# Altium PCB Einsy_Rambo.PcbDoc (part 2 of 5) (continued)
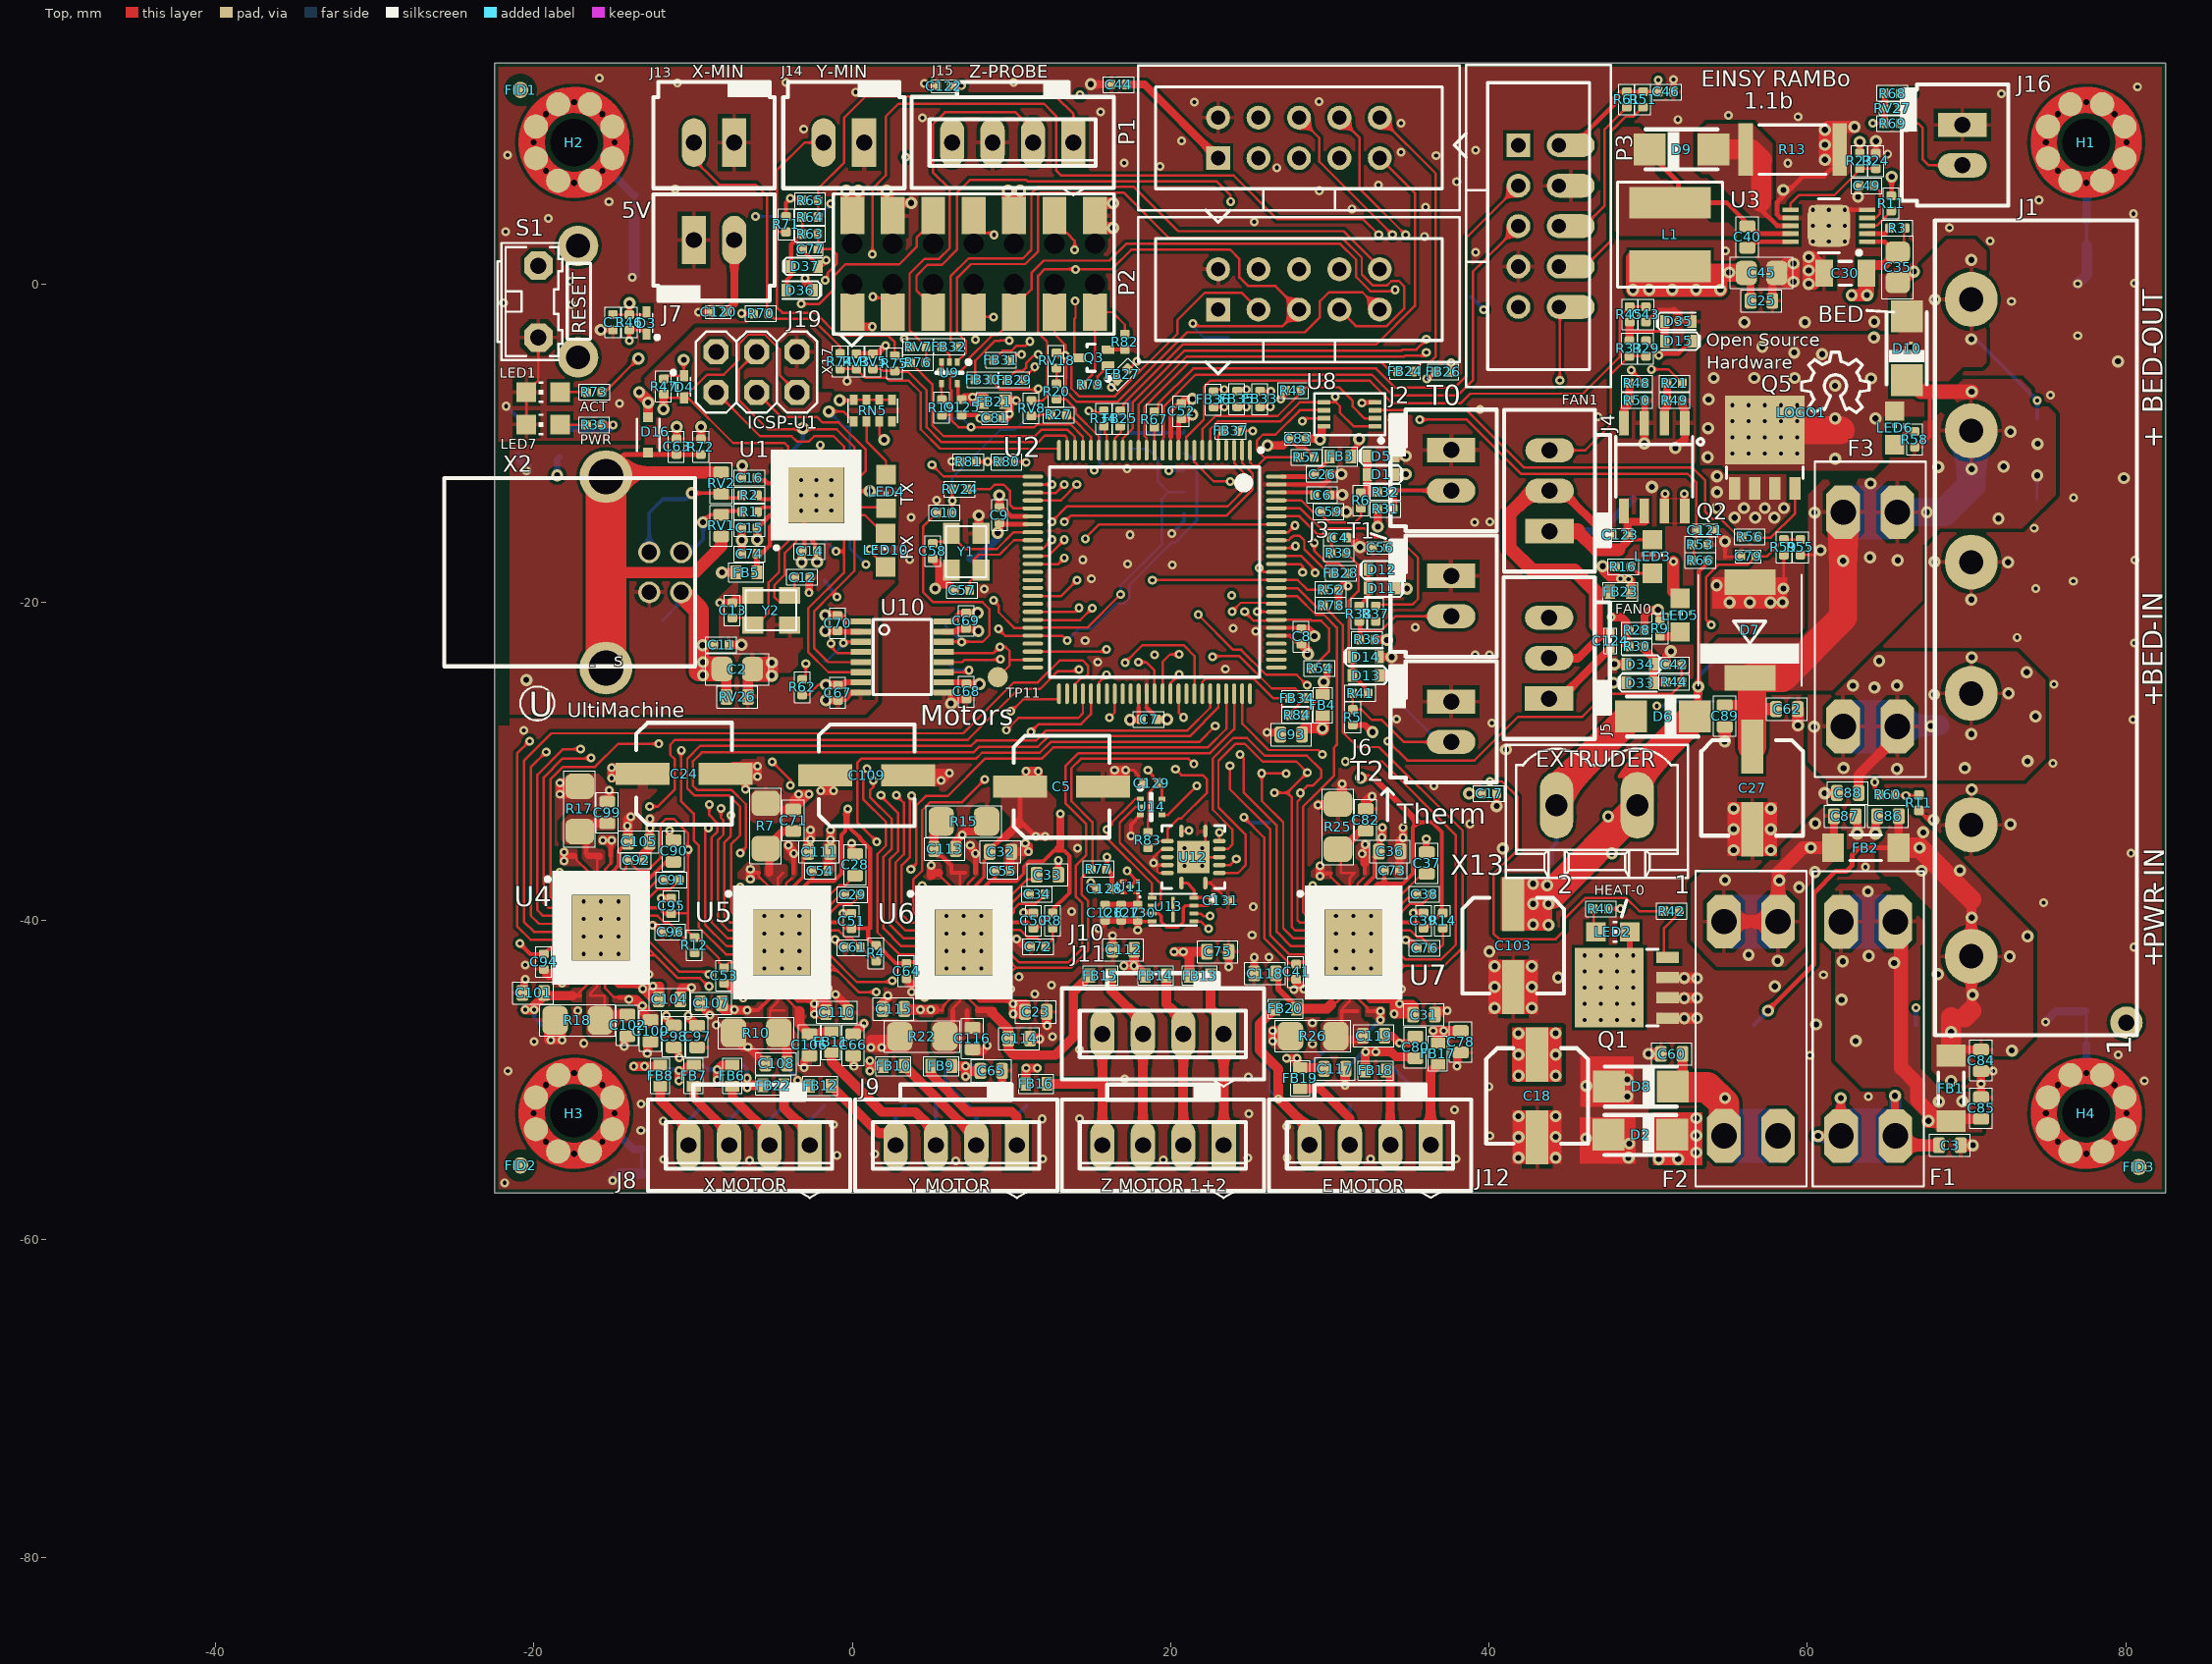
[diagram p0: Top view]
## Nets (pads, with @x,y where several pads share a name; then routed paths per layer and width w, separated by ;. In a path a pad name is that pad's centre, name@x,y a point inside that pad or via, vN(x,y) a via of type N, cw(c..) or ccw(c..) an arc to the next point about the centre after c; other vN are vias at no path point) (continued)
  other v3: 61.741,-10.979 61.741,-8.439 64.281,-8.439 61.741,-6.382 64.002,-5.925 54.121,-5.899 56.661,-5.899 59.201,-5.899 60.928,-4.401 59.176,-4.299 66.497,-3.988 57.169,-3.943 70.301,-3.461 64.179,-3.359 68.015,-0.972 70.301,1.518
  other v4: 53.74,-10.878 53.765,-9.049 53.791,-7.245
BED_MON: C79.1 R55.1 R59.1 U2.88 | length 43.5
  Top w0.152: v2@25.571,-17.812 25.851,-18.091 U2.88@26.637,-18.091 U2.88@26.988,-18.091 ; v1(53.975,-21.412) 53.645,-21.082 53.645,-18.39 54.392,-17.642 56.239,-17.642 C79.1@56.78,-17.101 57.476,-17.101 R59.1@58.522,-16.055 R55.1@59.563,-16.055 R55.1@59.639,-16.055
  Signal Layer 2 w0.152: v2@25.571,-17.812 26.664,-17.812 28.086,-19.234 29.559,-19.234 31.217,-17.577 34.011,-17.577 34.671,-16.916 42.037,-16.916 44.653,-19.533 52.095,-19.533 v1(53.975,-21.412)
  other v2: 25.552,-17.831
D+: R2.1 RV2.2 TP35.TP X2.3 | length 9.3
  Top w0.229: v4(-10.09,-13.138) -8.281,-13.138 RV2.2@-8.236,-13.183 ; RV2.2@-8.585,-13.437 -7.109,-13.437 R2.1@-6.938,-13.265
  Bottom w0.229: X2.3@-12.761,-16.849 -12.761,-14.361 TP35.TP@-11.919,-13.519 -10.471,-13.519 v4(-10.09,-13.138)
D-: R1.1 RV1.2 TP28.TP X2.2 | length 5.8
  Top w0.229: v4(-9.379,-14.967) -8.902,-14.49 RV1.2@-8.236,-14.49 ; RV1.2@-8.611,-14.249 -6.995,-14.249 R1.1@-6.938,-14.307
  Bottom w0.229: X2.2@-10.755,-16.849 -10.169,-16.849 TP28.TP@-9.379,-16.059 v4(-9.379,-14.967)
DTR: JP1.1 JP1.2 RN5.5 TP24.TP U1.13 U10.3 | length 28
  Top w0.152: v3(-1.479,-7.999) -0.559,-7.999 RN5.5@0.077,-8.635 ; v1@-0.686,-22.606 -0.552,-22.472 U10.3@0.521,-22.472 ; U1.13@0.133,-13.011 1.084,-13.011 v3(1.096,-12.999)
  Signal Layer 2 w0.152: v3(-1.479,-7.999) 1.096,-10.574 v3(1.096,-12.999) ; v1(-0.559,-22.555) -0.686,-22.428 -0.686,-20.295 0.857,-18.752 v1(0.857,-17.609)
  Bottom w0.152: TP24.TP@-1.759,-23.679 -1.607,-23.679 v1@-0.686,-22.758 ; v3(-1.479,-7.999) -0.516,-8.962 JP1.1@-0.154,-8.962 JP1.2@-0.154,-10.486 -0.154,-16.597 v1(0.857,-17.609)
E0-DIR: U2.41 U7.7 | length 39.2
  Top w0.152: U2.41@10.987,-19.615 13.1,-19.615 14.112,-18.604 v1(14.112,-18.599) ; v1(23.725,-30.25) 23.725,-31.739 26.257,-34.271 26.257,-40.926 27.438,-42.106 U7.7@29.065,-42.106
  Signal Layer 2 w0.152: v1@14.112,-18.604 v1(14.112,-18.599) 12.885,-19.825 12.885,-24.21 14.7,-26.025 20.75,-26.025 21.55,-26.825 21.55,-28.776 23.024,-30.25 v1(23.725,-30.25)
E0-EN: U2.74 U7.22 | length 29.3
  Top w0.152: U2.74@24.499,-26.092 24.499,-27.624 26.15,-29.275 29.25,-29.275 v1(29.525,-29.55) ; v1(30.975,-30) 33.289,-30 37.925,-34.636 37.925,-41.5 37,-42.425 34.726,-42.425 34.443,-42.143 34.377,-42.143 34.34,-42.106 U7.22@33.915,-42.106
  Signal Layer 2 w0.152: v1(29.525,-29.55) 29.975,-30 v1(30.975,-30)
E0-STEP: U2.56 U7.6 | length 28.3
  Top w0.152: U2.56@15.487,-26.092 15.487,-25.026 v1(15.97,-24.543) ; v1(24.35,-29.55) 24.6,-29.8 24.6,-31.953 26.664,-34.017 26.664,-40.697 27.573,-41.606 U7.6@29.065,-41.606
  Signal Layer 2 w0.152: v1(15.97,-24.543) 17.037,-25.61 20.885,-25.61 21.88,-26.605 21.88,-28.64 22.791,-29.55 v1(24.35,-29.55)
E0_DIAG: R78.1 U2.86 U7.20 U7.21 | length 34.8
  Top w0.152: U2.86@26.988,-19.107 27.959,-19.107 29.254,-20.403 29.788,-20.403 30.821,-21.436 30.821,-28.167 31.744,-29.089 33.09,-29.089 38.35,-34.35 38.35,-41.675 37.2,-42.825 34.7,-42.825 34.419,-43.106 U7.20@33.915,-43.106 ; U7.21@33.915,-42.606 34.399,-42.606 34.649,-42.856
E0_nCS: U2.85 U7.2 | length 23.8
  Top w0.152: U2.85@26.988,-19.615 27.959,-19.615 29.121,-20.777 29.629,-20.777 30.44,-21.588 30.44,-28.945 30.25,-29.135 30.25,-30.9 29.013,-32.137 ; 29.012,-32.137 28.321,-32.829 28.321,-39.459 28.468,-39.606 U7.2@29.065,-39.606
E-REF-PWM: U2.40
FAN-0: R21.1 U2.17 | length 40.6
  Top w0.152: U2.17@16.987,-10.441 16.987,-9.705 17.632,-9.06 17.632,-7.417 20.877,-4.172 34.512,-4.172 34.569,-4.115 35.433,-4.115 v1@36.068,-3.48 ; v2(50.19,-5.359) 51.28,-5.359 R21.1@52.144,-6.223
  Signal Layer 2 w0.152: v1@36.068,-3.48 48.311,-3.48 v2(50.19,-5.359)
  other v1: 36.062,-3.461
FAN-1: R48.1 U2.15 | length 36.8
  Top w0.152: U2.15@17.987,-10.091 17.987,-7.564 20.999,-4.553 34.665,-4.553 34.722,-4.496 35.89,-4.496 v1@36.068,-4.318 ; v2(48.946,-5.41) 48.969,-5.41 R48.1@49.781,-6.223
  Signal Layer 2 w0.152: v1@36.068,-4.318 36.525,-3.861 47.396,-3.861 v2(48.946,-5.41)
  other v1: 36.062,-4.299
FGND: "Net Tie1.1" "Net Tie2.1" "Net Tie3.1" "Net Tie4.1" D16.C H1.1 H2.1 H3.1 H4.1 pad.0 S1.3 S1.4 | length 299.9
  Top w0.61: D16.C@-12.829,-8.374 v4(-12.829,-7.449) -12.829,-7.351 v4@-12.829,-7.349
  Top w0.762: v4(-13.392,-6.788) v4@-12.829,-7.351
  Supply w0.508: -21.622,-42.856 -21.85,-42.628 -21.85,-28.429 -21.622,-28.2
  Supply w1.016: -21.622,-42.856 -21.622,-47.956 -19.455,-50.124 H3.1@-19.257,-50.321 ; -21.622,-28.2 -21.622,-8.992 S1.4@-17.234,-4.604
  Supply w1.524: -19.455,-50.124 ccw(c-17.479,-52.099) -14.685,-52.099 ; -19.455,-50.124 cw(c-17.479,-52.099) -14.685,-52.099 ; -19.455,-50.124 cw(c-17.479,-52.099) -14.685,-52.099 ; -19.455,-50.124 cw(c-17.479,-52.099) -14.685,-52.099 ; -19.455,-50.124 cw(c-17.479,-52.099) -14.685,-52.099 ; -19.455,-50.124 cw(c-17.479,-52.099) -14.685,-52.099 ; -19.455,-50.124 cw(c-17.479,-52.099) -14.685,-52.099 ; -19.455,-50.124 cw(c-17.479,-52.099) -14.685,-52.099 ; -19.455,-50.124 cw(c-17.479,-52.099) -14.685,-52.099
  Signal Layer 2 w0.508: 81.587,-33.992 81.613,-33.966
  Signal Layer 2 w1.016: H2.1@-17.479,6.361 -17.579,6.261 -17.579,4.476 -17.234,4.131 S1.3@-17.234,2.406 -17.565,2.736 -20.452,2.736 -21.298,1.89 -21.298,0.433 -19.081,-1.785 -18.995,-1.785 -17.234,-3.546 S1.4@-17.234,-4.604 -15.574,-4.604 v4@-12.829,-7.349 ; H3.1@-15.701,-53.877 -13.165,-56.413 73.207,-56.413 H4.1@75.743,-53.877 ; H4.1@79.299,-50.321 81.613,-48.007 81.613,-46.599 ; 79.481,7.092 79.481,6.941 81.613,4.809 81.613,-33.966 81.613,-46.599 ; pad.0@80.046,-46.399 81.413,-46.399 81.613,-46.599
  Bottom w0.508: -15.385,7.249 -13.749,5.613 -13.691,5.613 ; -15.008,-53.102 -13.754,-54.356 -13.233,-54.356 ; H4.1@77.521,-49.559 77.521,-49.432 77.521,-47.777 ; 77.521,6.234 77.546,6.209 77.546,3.937
GND: "Net Tie1.2" "Net Tie2.2" "Net Tie3.2" "Net Tie4.2" C1.2 C3.2 C4.2 C5.2 C6.2 C7.2 C8.2 C9.2 C17.2 C18.2 C23.1 C24.2 C25.2 C26.2 C27.2 C30.2 C31.1 C32.1 C35.2 C36.1 C39.1 C41.1 C42.2 C43.2 C44.2 C45.2 C46.1 C49.2 C50.1 C51.1 C52.2 C53.1 C54.1 C55.1 C56.2 C57.2 C58.2 C59.2 C60.2 C61.2 C62.2 C64.1 C65.2 C66.2 C68.1 C69.2 C71.1 C72.2 C73.1 C75.2 C76.2 C77.2 C78.2 C79.2 C80.2 C81.2 C82.1 C83.2 C84.2 C85.2 C86.2 C87.2 C88.2 C89.2 C92.1 C93.1 C94.1 C95.1 C96.2 C97.2 C98.2 C99.1 C100.2 C101.2 C102.1 C103.2 C104.1 C105.1 C106.2 C107.2 C108.1 C109.2 C110.1 C111.1 C112.2 C113.1 C114.2 C115.2 C116.1 C117.2 C118.2 C119.1 C120.1 C121.2 C122.1 C125.1 C126.1 C127.1 C128.1 C129.1 C130.1 C131.2 D2.A D5.A D7.A D8.A D12.A D14.A D34.A D35.A D37.A J1.2 J1.4 J2.1 J3.1 J6.1 J7.1 J13.1 J14.1 J15.3 J16.1 J19.4 J19.14 JP4.2 LED1.C LED7.C P1.2 P2.2 P3.4 P3.7 P4.5 P4.8 P4.9 P4.10 Q1.1 Q1.2 Q1.3 Q2.1 Q2.3 Q3.2 Q5.1 Q5.2 Q5.3 R7.2 R10.2 R13.1 R15.2 R17.2 R18.2 R22.2 R24.1 R25.2 R26.2 R43.1 R49.2 R50.2 R53.2 R57.1 R59.2 R81.2 R82.2 R87.1 RT1.1 RV3.1 RV5.1 RV7.1 RV27.1 S1.2 TP67.TP TP69.TP U2.11 U2.32 U2.62 U2.81 U2.99 U3.5 U3.7 U3.11 U4.1 U4.11 U4.12 U4.18 U4.24 U4.35 U4.36 U4.37 U5.1 U5.11 U5.12 U5.18 U5.24 U5.35 U5.36 U5.37 U6.1 U6.11 U6.12 U6.18 U6.24 U6.35 U6.36 U6.37 U7.1 U7.11 U7.12 U7.18 U7.24 U7.35 U7.36 U7.37 U8.4 U9.3 U10.9 U10.15 U11.2 U11.T U12.1 U12.4 U12.7 U12.10 U12.12 U12.13 U12.15 U13.4 U14.3 Y1.2 Y1.4 | length 282.6
  Top w0.152: LED7.C@-20.479,-8.82 LED1.C@-20.479,-6.788 -19.724,-6.033 S1.2@-19.724,-3.36 ; v3(-15.805,-2.877) C1.2@-15.043,-2.877 ; v1@-12.042,-38.738 -11.995,-38.691 v1(-11.995,-38.589) ; v1@-2.102,-44.281 -2.089,-44.268 v1(-2.089,-44.253) ; Y1.4@6.22,-18.109 Y1.4@6.22,-17.759 ; C57.2@6.318,-19.129 C57.2@6.418,-19.229 ; Y1.2@8.085,-15.894 Y1.2@8.085,-15.653 ; v1@9.328,-44.281 v1(9.35,-44.304) ; C72.2@11.093,-41.408 11.144,-41.459 11.144,-41.612 C72.2@11.144,-41.815 ; v1(18.925,-36.375) 18.925,-36.025 19.115,-35.835 19.115,-35.826 19.441,-35.5 U12.10@19.794,-35.5 ; v1@19.05,-36.5 19.15,-36.6 19.15,-36.9 19.25,-37 U12.13@19.794,-37 ; U2.11@19.987,-10.441 19.987,-9.616 20.003,-9.6 ; v3@21.4,-7.306 v3@21.421,-7.285 ; U12.1@22.175,-37.631 22.513,-37.631 C131.2@23.608,-38.725 ; U12.7@22.175,-34.369 22.175,-35.25 U12.15@21.425,-36 U12.4@23.056,-36 ; U2.99@26.988,-12.591 U2.99@27.006,-12.609 ; v1@33.813,-44.281 v1(33.836,-44.304) ; C76.2@35.378,-41.815 C76.2@35.63,-41.815 ; 47.973,-48.882 47.992,-48.863 ; 54.832,-17.145 54.839,-17.151 C79.2@55.83,-17.151 ; v3@58.522,-19.101 R59.2@58.522,-17.018
  Top w0.178: C83.2@27.497,-9.857 27.56,-9.857 27.965,-10.262 28.407,-10.262 R57.1@29.023,-10.878
  Top w0.203: v1(17.164,-30.537) 17.637,-30.537 17.991,-30.891 17.991,-31.041 C129.1@18.3,-31.35 ; v1(17.27,-36.875) U11.2@17.94,-37.545 17.734,-37.545 17.639,-37.64 17.639,-37.686 U11.T@17.45,-37.875 ; C130.1@17.925,-39.975 18,-40.05 U13.4@18.83,-40.05 ; 18.487,-26.612 U2.62@18.487,-25.741 ; v1(18.925,-36.375) 19.05,-36.5 U12.12@19.794,-36.5 ; C43.2@49.854,-2.381 50.635,-1.6
  Top w0.241: U4.12@-17.05,-43.593 -18.244,-43.593 -19.133,-43.593 -19.387,-43.339 C94.1@-19.387,-43.052 C94.1@-19.277,-43.161 ; U4.12@-17.05,-43.161 C94.1@-19.277,-43.161 ; U4.12@-17.039,-43.367 U4.11@-17.539,-43.367 -18.244,-43.367 -19.072,-43.367 C94.1@-19.277,-43.161 ; U4.18@-14.039,-43.367 -14.037,-43.364 v1(-13.443,-43.364) ; U4.18@-14.027,-43.567 v1@-13.519,-43.567 ; U4.18@-14.027,-43.186 v1@-13.468,-43.186 ; U4.24@-13.364,-40.192 v1@-12.554,-40.192 ; U5.24@-2.001,-41.106 v1@-1.036,-41.106 ; U6.24@9.429,-41.106 10.184,-41.106 v1@10.281,-41.203 ; U7.24@33.915,-41.106 34.67,-41.106 v1(34.766,-41.203)
  Top w0.254: C77.2@-3.117,2.184 -3.117,2.126 D37.A@-2.108,1.118 ; v2(3.251,-3.429) 3.665,-3.843 RV7.1@3.665,-3.937 ; v1(5.557,-5.5) 5.597,-5.46 U9.3@5.597,-4.9 ; C125.1@6.875,-8.225 7.806,-8.225 v1(8.02,-8.439) ; Q3.2@16.075,-4.125 16.092,-4.108 R82.2@17.125,-4.108 ; v1(17.5,-34.675) 17.5,-33.953 U14.3@18.1,-33.353 ; U2.81@26.637,-21.591 28.291,-21.591 C8.2@28.365,-21.666 ; U2.99@26.988,-12.591 29.598,-12.591 ; C83.2@27.497,-9.857 C83.2@27.497,-9.709 ; 50.635,-1.6 51.613,-1.6 ; D35.A@52.654,-2.337 D35.A@52.742,-2.337 ; R53.2@53.715,-16.364 53.924,-16.154 53.924,-15.45 54.121,-15.45 v5(54.832,-16.161) 54.832,-17.145 ; 54.832,-19.717 v3(55.112,-19.996) ; RV27.1@65.797,11.043 v2(66.44,11.043) ; RT1.1@67.005,-33.068 67.598,-33.661 v3(67.939,-33.661)
  Top w0.279: v1@32.017,-7.429 U8.4@32.842,-7.429
  Top w0.292: C9.2@9.239,-15.091 U2.32@10.987,-15.091 ; 18.487,-26.612 C7.2@19.1,-27.225 ; 58.09,5.131 58.09,4.376 58.297,4.169 58.322,4.169 58.325,4.166 U3.7@58.952,4.166 ; v2(62.352,4.666) U3.5@63.752,4.666
  Top w0.305: v1(-11.995,-38.589) v1@-11.988,-38.597 ; v1@14.95,-37.6 v1(14.975,-37.6) ; 20.003,-9.6 20.003,-7.987 20.491,-7.499 C52.2@20.669,-7.499 ; v1(26.918,-7.22) 27.225,-6.913 R43.1@27.225,-6.687 ; 29.598,-12.591 30.004,-12.186 C26.2@30.004,-11.999 ; v3(40.481,-32.798) C17.2@40.481,-32.01 ; 58.09,5.131 59.749,6.79 61.046,6.79 61.514,7.258 ; v4(63.189,5.48) 63.189,6.14 C49.2@63.24,6.191 ; R24.1@64.306,8.221 v3(64.306,8.985)
  Top w0.381: D37.A@-2.147,1.118 -2.108,1.118 -2.057,1.118 v2@-1.664,1.511 ; RV3.1@0.254,-4.376 RV5.1@1.295,-4.376 1.567,-4.376 v2(2.083,-3.861) ; U10.15@5.737,-21.837 6.484,-21.837 6.623,-21.698 C69.2@7.106,-21.698 ; v3(6.199,-26.354) U10.9@6.199,-25.653 ; Q2.3@49.752,-8.733 49.784,-8.702 R50.2@49.784,-7.315 ; v2(51.581,12.846) 51.599,12.828 C46.1@51.599,12.084 ; 51.613,-1.6 51.918,-1.905 v1(51.918,-2.286) D35.A@52.742,-2.286
  Top w0.406: v1@14.95,-37.6 C128.1@15.35,-38 ; v1(15.475,-40.5) 15.875,-40.1 C126.1@15.875,-39.975 C127.1@16.9,-39.975 C130.1@17.925,-39.975 v1(17.925,-40.6)
  Top w0.457: C112.2@16.345,-41.825 16.35,-41.82 v1(16.35,-40.925) ; C7.2@19.108,-27.35 v3(19.775,-27.35) ; v1(26.05,-28.175) 26.77,-28.175 C93.1@26.895,-28.05
  Top w0.508: C101.2@-20.727,-44.533 -20.606,-44.411 -20.606,-43.72 v1(-20.555,-43.669) ; v1(-18.396,-36.963) -18.193,-37.167 v1(-18.193,-37.522) ; v1@-18.244,-43.948 -18.244,-43.593 v1@-18.244,-43.367 ; -18.193,-38.056 v1(-18.193,-37.522) ; -17.177,-37.522 v1(-18.193,-37.522) ; v1(-14.332,-47.885) -14.332,-47.448 C102.1@-14.129,-47.245 ; v1(-13.443,-43.364) v1(-12.783,-43.364) ; v1@-12.884,-48.368 -12.884,-47.803 C100.2@-12.681,-47.6 ; v1(-12.552,-40.288) -12.429,-40.288 -12.046,-40.672 C96.2@-11.944,-40.672 ; v1@-11.988,-38.597 C95.1@-11.386,-38.597 ; C98.2@-11.22,-47.95 -10.922,-48.248 v1@-10.922,-48.616 ; C104.1@-10.807,-44.939 -10.807,-44.31 -10.693,-44.196 v1(-10.109,-44.196) ; v2(-9.658,-1.759) -9.646,-1.746 C120.1@-8.889,-1.746 ; C107.2@-9.545,-45.396 C107.2@-9.545,-45.319 ; C107.2@-9.545,-45.187 C107.2@-9.545,-45.319 ; v1(-8.941,-45.923) C107.2@-9.545,-45.319 ; C53.1@-8.058,-43.915 -7.901,-43.915 -7.493,-44.323 -6.883,-44.323 v1(-6.864,-44.304) ; R10.2@-7.728,-47.098 -6.869,-47.957 -6.848,-47.936 v1(-6.56,-47.936) -6.503,-47.936 C108.1@-5.462,-48.978 ; v1(-7.033,-37.878) -6.829,-38.081 v1(-6.829,-38.437) ; -6.829,-38.97 v1(-6.829,-38.437) ; v1(-6.712,-31.731) C24.2@-6.712,-30.944 ; C24.2@-6.712,-30.588 C24.2@-6.712,-30.613 ; -5.813,-38.437 v1(-6.829,-38.437) ; R7.2@-5.442,-32.62 -5.055,-33.007 C71.1@-3.715,-33.007 ; v2(-3.023,-49.225) -3.023,-48.813 C106.2@-2.692,-48.483 ; C54.1@-1.513,-36.862 -1.513,-35.771 C111.1@-1.409,-35.668 -1.378,-35.637 v1(-1.378,-34.906) v1(-1.378,-34.296) ; v1(-1.067,-44.628) -0.292,-45.403 C110.1@-0.292,-45.752 ; v1@-1.05,-41.203 -0.641,-41.612 C61.2@-0.54,-41.612 ; v1(-0.591,-39.541) -0.565,-39.516 C51.1@-0.13,-39.516 ; C66.2@0.051,-48.483 0.076,-48.508 v2@0.076,-49.149 ; C64.1@3.397,-43.636 4.014,-44.253 v1(4.54,-44.253) ; v1(4.388,-37.802) 4.591,-38.005 v1(4.591,-38.386) ; v2@4.521,12.56 v2(4.521,12.598) ; v1@4.54,-44.837 v1(4.54,-44.253) ; 4.591,-38.97 v1(4.591,-38.386) ; C58.2@5.048,-17.253 5.453,-17.658 v3@5.453,-18.877 ; U6.12@5.632,-44.253 v1(4.54,-44.253) ; U6.35@5.632,-38.386 v1(4.591,-38.386) ; Y1.4@6.22,-18.109 v3@5.453,-18.877 ; v3@6.335,-26.076 C68.1@7.171,-26.076 ; C57.2@6.418,-19.229 6.065,-18.877 v3@5.453,-18.877 ; C113.1@6.49,-35.49 6.49,-35.013 v1(6.902,-34.601) 7.112,-34.392 R15.2@8.865,-34.392 ; C69.2@7.146,-21.632 7.751,-21.632 v3(7.918,-21.8) ; C116.1@7.537,-48.235 8.126,-48.235 8.477,-47.884 v1(8.477,-47.835) ; v3(7.944,-14.535) 7.944,-15.512 Y1.2@8.085,-15.653 ; v1(8.02,-8.439) 8.459,-8.439 C81.2@8.485,-8.414 ; 8.884,-44.304 v1(9.35,-44.304) v1(9.95,-44.304) ; v3@9.239,-15.551 C9.2@9.239,-15.091 ; v1@9.411,-50.343 C65.2@9.411,-49.435 ; v1@10.405,-41.203 10.814,-41.612 C72.2@11.144,-41.612 ; v1@10.763,-39.516 C50.1@11.3,-39.516 ; v3@15.005,12.541 C44.2@16.25,12.541 ; C52.2@20.669,-7.499 20.862,-7.306 v3@21.399,-7.306 ; C75.2@23.635,-41.942 23.641,-41.948 v1(23.641,-42.907) ; C118.2@25.247,-43.313 v2(25.247,-42.303) ; v3(26.086,-10.135) 27.071,-10.135 C83.2@27.497,-9.709 ; C8.2@28.365,-21.666 28.603,-21.666 28.905,-21.968 v3@28.905,-22.022 ; C6.2@30.004,-13.249 30.013,-13.24 v3(30.778,-13.24) ; C26.2@30.004,-11.999 30.058,-11.944 v3(30.728,-11.944) ; C59.2@30.404,-14.299 v3@31.121,-14.299 ; C4.2@31.058,-15.932 31.312,-15.932 v3(31.896,-16.516) ; D14.A@33.102,-23.425 v3(33.877,-23.425) ; C119.1@33.44,-47.225 33.903,-47.225 v1@34.385,-47.708 ; D5.A@34.067,-10.801 v3(34.766,-10.801) ; C73.1@34.378,-36.887 34.378,-34.99 v1(34.588,-34.779) v1(34.588,-34.144) ; v1(34.385,-47.682) 34.928,-47.682 34.949,-47.703 C80.2@35.376,-47.276 ; v1(34.766,-41.203) 34.891,-41.203 35.401,-41.713 C76.2@35.477,-41.713 ; v1(35.249,-39.516) 35.879,-39.516 C39.1@35.884,-39.511 ; v1(37.992,-49.13) 37.992,-48.515 C78.2@38.221,-48.286 ; v3(47.873,-23.882) D34.A@48.623,-23.882 ; v3(49.752,-10.014) Q2.3@49.752,-8.733 ; C42.2@51.149,-23.908 51.149,-23.349 v3(51.429,-23.07) ; v3(51.708,-10.293) 52.292,-9.709 Q2.1@52.292,-8.733 52.292,-7.868 52.146,-7.722 R49.2@52.146,-7.315 ; C25.2@57.798,-1.048 57.798,0.42 C45.2@58.083,0.705 ; v3(58.496,-19.126) v3@58.522,-19.101 ; v3@59.398,-27.737 v3(59.404,-27.732) ; v6(61.093,-31.998) 61.836,-31.998 C88.2@61.861,-31.972 ; C87.2@63.031,-33.433 63.138,-33.54 v6(63.138,-34.525) ; v6(64.281,-34.525) 64.281,-33.54 C86.2@64.388,-33.433 ; C35.2@65.678,0.095 66.008,0.095 v4(66.7,0.787) ; C85.2@70.91,-51.092 v1(70.91,-50.248) C84.2@70.91,-49.454 71.692,-49.454 v1(71.672,-49.435) ; v1@-18.688,-47.504 R18.2@-18.688,-46.273 ; v1@-18.688,-47.504 -19.133,-47.504 -19.133,-46.717 R18.2@-18.688,-46.273 ; v1@-18.688,-47.504 v1(-18.244,-47.504) -18.244,-46.692 R18.2@-18.675,-46.26 R18.2@-18.688,-46.273 ; C24.2@-7.82,-30.613 C24.2@-6.712,-30.613 ; C24.2@-7.82,-30.613 -7.49,-30.283 v1(-5.95,-30.283) -5.95,-30.613 ; C24.2@-7.82,-30.613 C24.2@-7.973,-30.766 -7.795,-30.944 C24.2@-6.712,-30.944 ; C24.2@-6.712,-30.944 C24.2@-6.712,-30.613 ; C24.2@-6.712,-30.944 v1(-5.95,-30.944) -5.95,-30.613 ; C24.2@-6.712,-30.613 -5.95,-30.613 ; C71.1@-3.715,-33.007 -3.67,-33.007 v1(-2.724,-32.061) v1(-3.359,-32.061) -3.715,-32.417 C71.1@-3.715,-33.007
  Top w0.559: R17.2@-16.999,-31.68 R17.2@-17.126,-31.553 ; R17.2@-16.923,-31.35 R17.2@-17.126,-31.553 ; C99.1@-15.399,-32.524 C99.1@-15.196,-32.321 ; C99.1@-15.265,-32.315 v1(-15.265,-31.801) ; C92.1@-13.146,-36.227 -13.146,-35.837 -12.738,-35.428 C105.1@-12.738,-35.033 -12.732,-35.027 -12.732,-34.195 v1(-12.725,-33.604) ; v1(-6.864,-44.863) v1(-6.864,-44.304) -5.823,-44.304 ; -2.521,-44.253 v1(-2.089,-44.253) v1(-1.53,-44.253) ; C110.1@-0.292,-45.752 C110.1@-0.286,-45.758 ; C115.2@1.904,-45.549 1.904,-45.162 2.229,-44.837 v1(2.229,-44.71) ; J19.4@2.159,5.41 2.47,5.099 v3(3.702,5.099) ; R22.2@3.016,-47.276 2.864,-47.428 1.162,-47.428 v1(1.162,-47.962) v1(1.848,-47.962) R22.2@3.397,-47.962 ; C55.1@9.917,-36.862 9.917,-35.746 C32.1@9.995,-35.668 v1(11.068,-35.668) 11.068,-35.338 v1(10.865,-35.135) v1@10.865,-35.49 ; C5.2@16.478,-31.934 v1(16.478,-30.537) 16.821,-30.537 ; C5.2@17.164,-31.96 C5.2@17.164,-31.325 ; C41.1@27.883,-43.687 27.883,-43.821 v1(28.365,-44.304) v1(29.026,-44.304) 30.067,-44.304 ; v1(29.038,-38.398) v1@29.051,-38.398 ; 29.051,-38.945 v1@29.051,-38.398 ; 30.079,-38.398 v1@29.051,-38.398 ; 33.395,-44.304 v1(33.836,-44.304) v1(34.512,-44.304) ; C31.1@36.589,-45.904 36.843,-45.65 v1(37.382,-45.65) ; -18.371,-31.68 R17.2@-17.253,-31.68 ; -18.371,-31.68 v1(-18.371,-32.061) -17.634,-32.061 R17.2@-17.253,-31.68 ; -18.371,-31.68 v1(-18.371,-31.35) -17.329,-31.35 R17.2@-17.126,-31.553 ; R17.2@-17.253,-31.68 R17.2@-17.126,-31.553 ; 16.821,-30.537 16.821,-30.982 C5.2@17.164,-31.325 ; 16.821,-30.537 v1(17.164,-30.537) C5.2@17.164,-31.325 ; 26.41,-47.225 26.892,-47.225 R26.2@27.222,-47.555 ; 26.41,-47.225 v1(26.41,-46.92) 27.197,-46.92 R26.2@27.527,-47.25 R26.2@27.222,-47.555 ; 26.41,-47.225 v1(26.41,-47.555) R26.2@27.222,-47.555 ; C109.2@3.508,-30.893 3.686,-30.715 v1(6.09,-30.715) 5.607,-31.198 v1(5.582,-31.198) 3.813,-31.198 C109.2@3.508,-30.893
  Top w0.61: v1(29.254,-32.722) 30.448,-32.722 R25.2@30.505,-32.664 30.55,-32.62 30.677,-32.62 30.778,-32.518 v1(30.778,-31.401) ; C82.1@32.252,-32.981 32.252,-32.523 32.586,-32.188 v1(32.658,-32.188) ; C45.2@58.083,0.705 C45.2@58.287,0.908 ; C30.2@61.051,0.679 C30.2@61.076,0.654
  Top w0.635: C114.2@11.164,-47.403 11.779,-47.403 v1(11.779,-47.428) ; C23.1@12.205,-45.726 12.205,-46.559 v1(12.236,-46.59) ; v1(30.956,-50.324) 30.956,-49.353 C117.2@31.001,-49.308 ; v3(31.896,-16.516) 32.531,-16.516 C56.2@32.556,-16.491
  Top w0.686: Q1.1@51.053,-46.116 52.25,-46.116 v4(52.267,-46.133) 53.054,-46.133 v5(53.061,-46.126) ; Q1.2@51.053,-44.846 52.25,-44.846 v4(52.267,-44.863) 52.273,-44.856 v5(53.061,-44.856) ; Q1.3@51.07,-43.593 v4(52.267,-43.593) 53.042,-43.593 v5(53.061,-43.612) ; Q1.3@51.231,-43.576 Q1.3@51.248,-43.593
  Top w0.762: J19.4@2.159,5.41 v3(2.159,5.867) ; J19.14@15.164,5.08 v3(16.383,5.08) ; 15.996,3.531 v3(16.383,3.531) ; v3(50.032,-48.368) C60.2@50.799,-48.368 ; v3(54.807,-28.734) C89.2@54.807,-27.814 ; C45.2@58.083,0.705 58.642,0.146 v3(59.125,0.146) v3(59.125,1.289) 58.668,1.289 C45.2@58.287,0.908 ; v3@59.398,-27.737 C62.2@59.398,-26.702 ; v4(62.96,9.874) 61.284,9.874 v4(61.106,9.696) ; C3.2@69.635,-54.108 v3(70.402,-54.108) ; v3(60.09,0.857) v4(60.09,1.695) 60.319,1.695 61.051,0.963 C30.2@61.051,0.679 ; v3(60.09,0.857) 60.873,0.857 C30.2@61.051,0.679 ; v3(60.09,0.857) v3(60.09,0.019) 60.391,0.019 C30.2@61.051,0.679 ; v4(61.106,9.696) 61.589,9.696 61.589,7.842 61.563,7.817 v4(61.106,7.817) v4(61.106,8.757) v4(61.106,9.696)
  Signal Layer 2 w0.152: v1(4.591,-38.386) v1@4.591,-38.233 ; v1@29.051,-38.208 v1@29.077,-38.233
  Signal Layer 2 w0.508: v3(60.547,-46.514) v3@60.573,-46.539
  Bottom w0.254: v2(-21.742,-7.671) -21.006,-8.407 JP4.2@-21.006,-9.032 ; v2(20.075,-15.675) 20.85,-14.9 R87.1@20.85,-14.43
  Bottom w0.508: 7.395,-17.225 7.85,-17.225 9.138,-15.937 v3(9.138,-15.627) ; v2(74.955,-46.355) 75.616,-45.695 77.445,-45.695
  Bottom w0.686: v2(-15.062,-56.312) -14.63,-55.88 -13.233,-55.88 ; v2(-13.818,0.432) -13.691,0.559 -13.691,4.089 ; v2(76.987,0.025) 77.546,0.584 77.546,2.413
  other v1: 9.442,-50.375 -10.871,-48.616 -12.884,-48.343 -18.955,-47.504 -8.56,-46.558 4.54,-44.812 -18.237,-43.914 -18.237,-43.33 -1.099,-41.18 10.331,-41.154 25.114,-40.9 10.763,-39.491 13.786,-39.427 25.2,-39.125 28.924,-37.802 14.141,-35.439 -12.725,-34.188 38.805,-33.915 19,-23.3 25.35,-21.8 8.28,-19.152 20.1,-17.65 17.3,-17.575 14.475,-17.325 5.302,-13.57 17.275,-11.6 32.017,-7.48 7.725,-3.5
  other v2: -21.844,-56.464 6.502,-55.093 -6.452,-55.067 19.533,-55.016 -11.836,-54.991 11.963,-54.966 32.563,-54.966 37.922,-54.966 24.841,-54.915 27.305,-54.889 -0.965,-54.737 1.422,-54.661 40.056,-53.518 -13.284,-53.188 27.28,-52.934 -1.194,-52.807 -11.887,-52.578 11.938,-52.451 14.275,-52.426 24.917,-52.121 37.846,-51.892 -13.259,-51.511 63.83,-51.054 40.005,-50.419 81.178,-50.063 17.12,-49.936 24.892,-49.809 -21.641,-49.454 0.102,-49.149 60.173,-48.463 79.527,-48.438 14.275,-48.082 28.905,-47.752 -16.866,-47.701 -19.99,-47.6 12.573,-47.295 28.905,-46.431 -17.247,-45.644 11.455,-44.602 3.734,-44.475 27.737,-44.323 12.522,-44.044 10.465,-43.536 61.011,-43.409 -5.526,-43.006 -4.426,-43.006 -3.326,-43.006 5.904,-43.006 7.004,-43.006 8.104,-43.006 30.39,-43.006 31.49,-43.006 32.59,-43.006 -20.549,-42.774 26.187,-42.291 -16.889,-42.092 -15.789,-42.092 -14.689,-42.092 -5.526,-41.906 -4.426,-41.906 -3.326,-41.906 5.904,-41.906 7.004,-41.906 8.104,-41.906 30.39,-41.906 31.49,-41.906 32.59,-41.906 80.518,-41.656 -16.889,-40.992 -15.789,-40.992 -14.689,-40.992 -5.526,-40.806 -4.426,-40.806 -3.326,-40.806 5.904,-40.806 7.004,-40.806 8.104,-40.806 30.39,-40.806 31.49,-40.806 32.59,-40.806 -16.889,-39.892 -15.789,-39.892 -14.689,-39.892 -5.526,-39.706 -4.426,-39.706 -3.326,-39.706 5.904,-39.706 7.004,-39.706 8.104,-39.706 30.39,-39.706 31.49,-39.706 32.59,-39.706 74.854,-38.862 -16.889,-38.792 -15.789,-38.792 -14.689,-38.792 63.652,-36.627 20.875,-36.55 21.975,-36.55 80.34,-35.763 20.875,-35.45 21.975,-35.45 36.551,-31.521 75.438,-30.099 -20.65,-28.042 40.183,-27.584 80.467,-27.356 34.188,-27.33 75.489,-25.146 23.444,-24.181 15.425,-23.75 39.141,-23.292 40.03,-23.292 80.543,-22.555 14.625,-22.4 73.177,-22.2 23.925,-21.625 35.357,-21.565 74.346,-19.126 76.708,-18.669 15.025,-18.5 80.569,-17.348 3.607,-17.297 17.45,-15.75 74.244,-15.342 39.091,-14.961 40.056,-14.935 3.683,-14.656 76.733,-13.411 6.267,-11.132 33.909,-8.534 46.838,-8.331 39.446,-7.874 -14.63,-7.493 75.286,-6.985 -0.33,-6.096 76.987,-3.251 -17.653,-1.295 -21.92,-1.168 72.822,-1.092 80.543,0.051 -17.729,0.178 -1.651,1.499 39.167,2.007 54.864,2.083 60.352,2.666 61.352,2.666 62.352,2.666 71.476,2.718 35.941,2.997 -21.793,3.302 68.936,3.531 60.352,3.666 61.352,3.666 62.352,3.666 25.25,3.9 -19.101,4.115 80.493,4.42 60.352,4.666 61.352,4.666 31.394,4.724 36.011,4.845 -15.291,5.182 74.549,5.283 29.337,5.867 -11.125,5.969 33.045,6.223 37.973,6.426 26.67,7.315 19.329,7.391 17.075,7.6 58.776,7.595 36.678,8.077 -21.666,8.103 65.049,8.179 34.468,8.28 39.167,8.407 20.676,8.992 -3.048,9.728 34.468,10.109 51.867,10.338 4.394,10.439 59.411,10.516 55.042,10.592 15.596,10.82 21.488,11.43 29.312,11.455 72.187,11.963 0.203,12.065 80.747,12.395 -10.998,12.649 -4.166,12.675 10.135,12.675 -15.9,12.954
  other v3: 41.853,-54.896 44.19,-54.896 41.853,-53.6 44.19,-53.575 41.853,-52.28 44.19,-52.28 40.354,-45.472 42.691,-45.472 40.354,-44.152 42.691,-44.152 57.956,-44.126 44.342,-43.567 40.354,-42.856 42.691,-42.856 40.024,-41.942 55.366,-35.566 57.702,-35.566 40.862,-35.465 55.366,-34.246 57.702,-34.246 72.765,-33.941 55.366,-32.95 57.702,-32.95 70.326,-31.756 41.065,-29.242 29.032,-22.123 56.382,-19.996 57.677,-19.996 58.445,-19.99 70.301,-19.818 5.2,-19.129 54.305,-18.923 72.612,-17.482 67.989,-17.456 31.039,-14.3 79.883,-12.192 21.361,-7.215 79.521,-4.858 56.051,-2.394 59.849,-2.394 64.205,-2.369 14.98,12.567
  other v4: 48.762,-54.896 48.812,-54.007 46.097,-53.673 48.692,-51.042 46.12,-50.375 48.692,-49.975 55.425,-14.674 56.725,-14.674 57.925,-14.674 54.325,-14.074 56.025,-14.074 57.325,-14.074 58.525,-14.074 54.325,-13.074 54.325,-12.074 58.49,5.912
  other v6: 50.242,-12.739